# Altium PCB DS134-1.0-A色度传感器partA.PcbDoc
Units mm, origin at the board's own origin, x right, y up, seen from the top; angles counter-clockwise.
Board outline 42 x 93 mm, 2 copper layers (Top Layer, Bottom Layer), stack 1.581 mm thick; 59 components, 74 nets, 265 pads, 86 vias.
Unrouted connection lines stored in the file: 1.
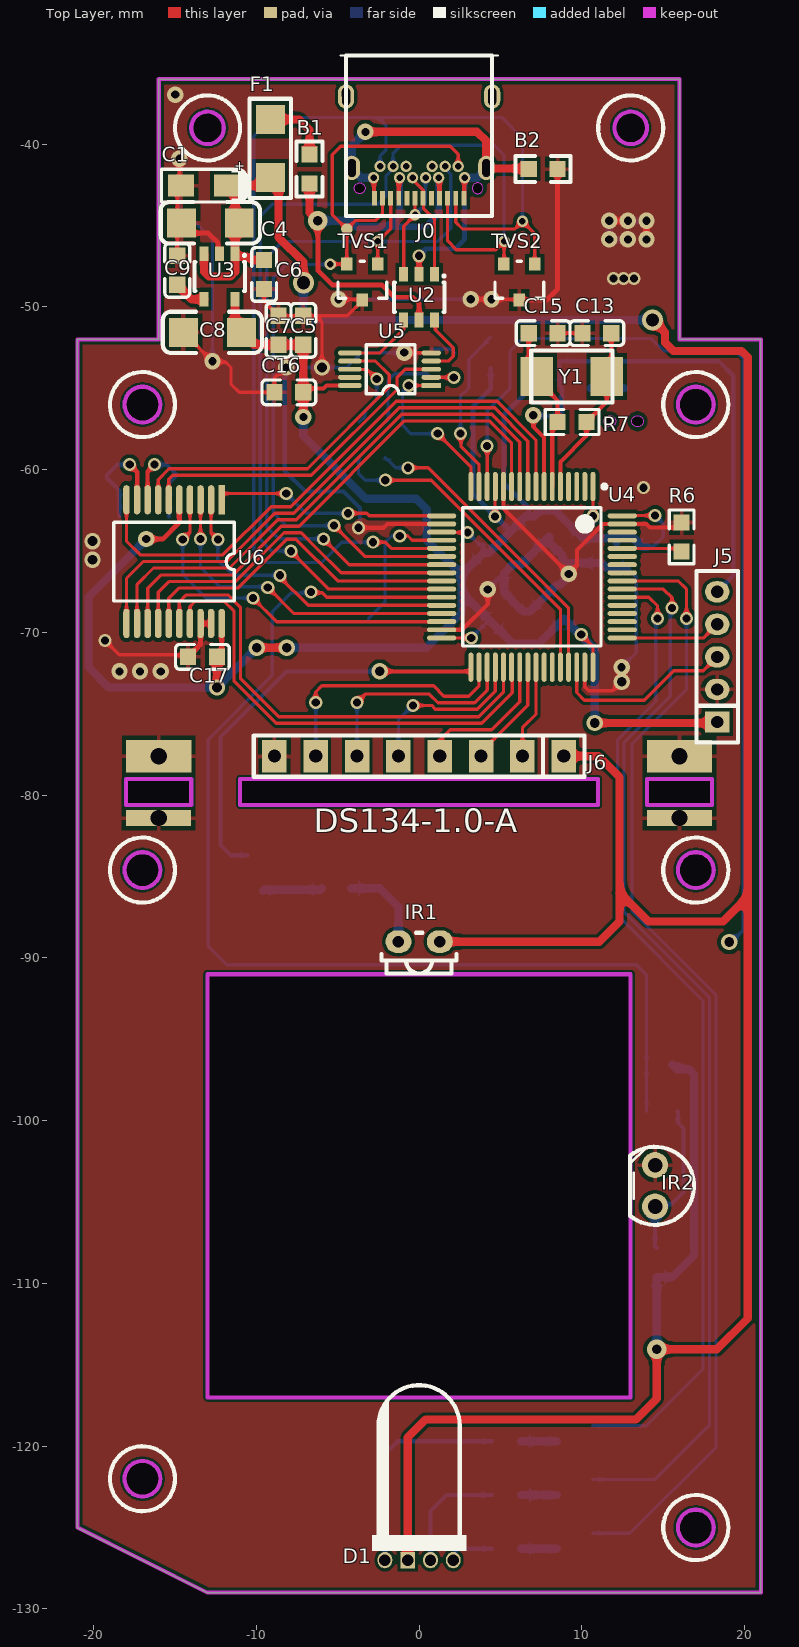
[diagram p0: Top Layer view]
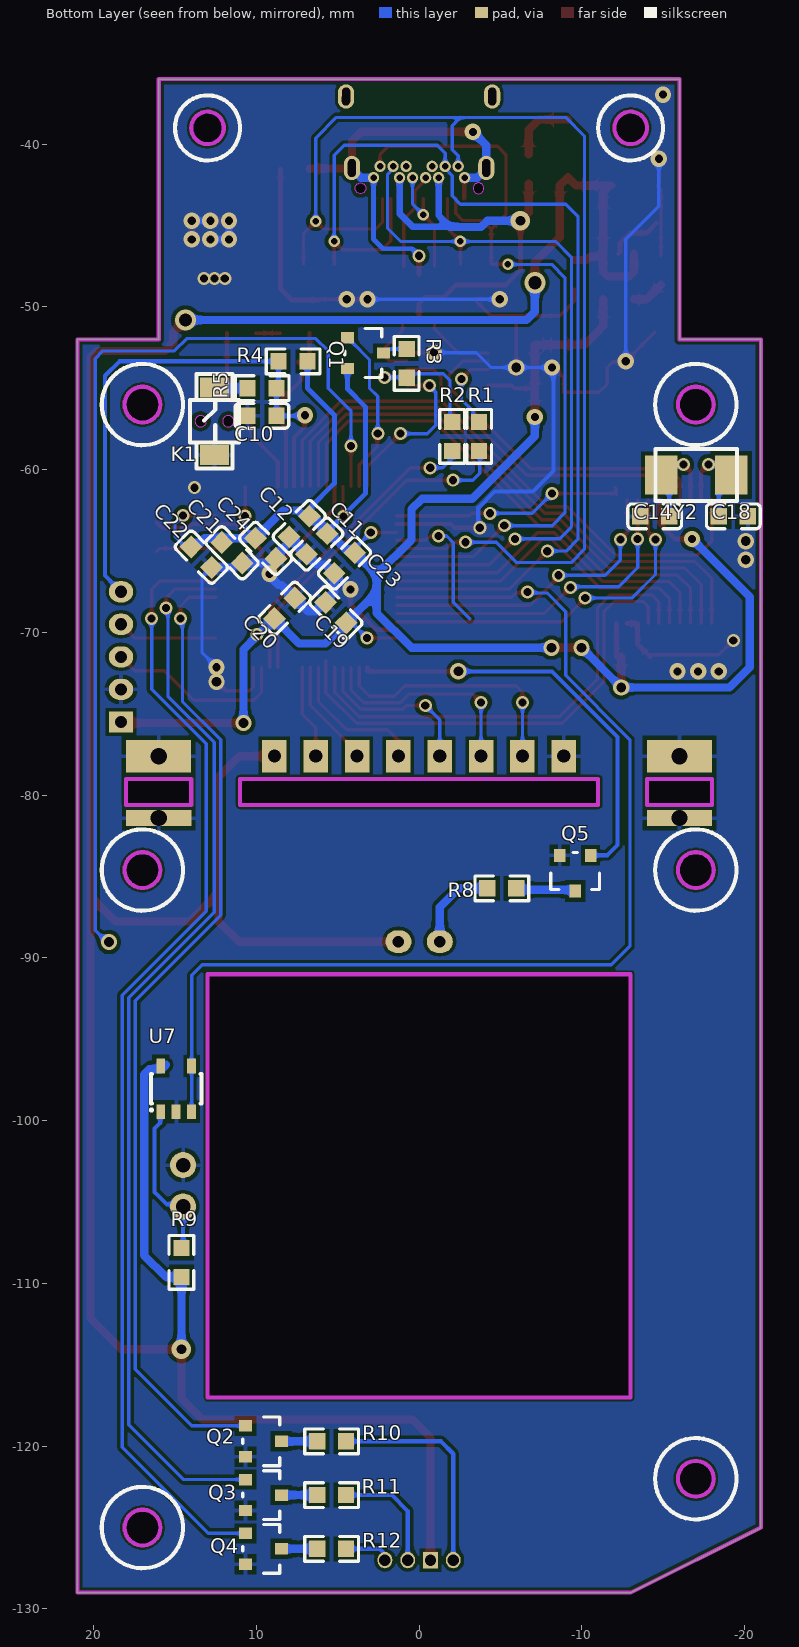
[diagram p1: Bottom Layer view, seen from below]
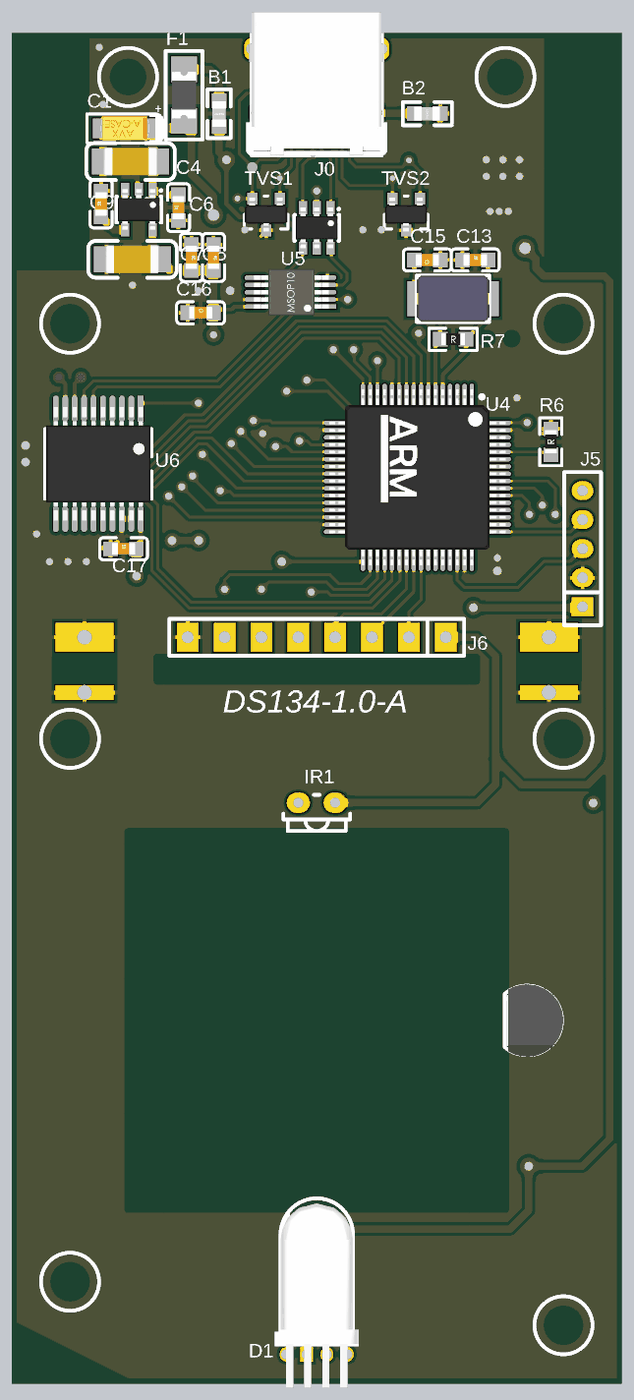
[diagram p2: 3D render of the assembled board from above, using the file's embedded part models]
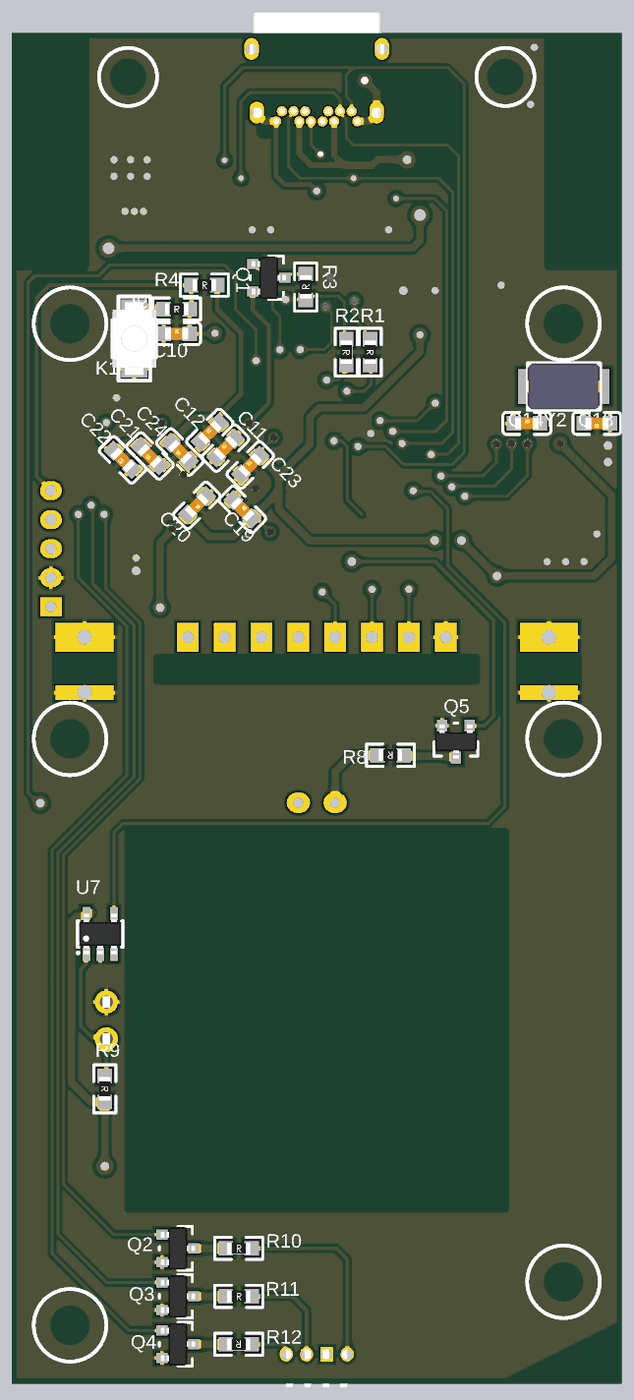
[diagram p3: 3D render of the assembled board from below, using the file's embedded part models]

## Layer stack, top to bottom
Top Solder: solder mask 0.0102, Solder Resist, Dk 3.5
Top Layer: signal copper 0.0356
Dielectric 1: dielectric 1.51, FR-4, Dk 4.8
Bottom Layer: signal copper 0.0356
Bottom Solder: solder mask 0.0102, Solder Resist, Dk 3.5

## Board outline
-21,-125 -13,-129 21,-129 21,-52 16,-52 16,-36 -16,-36 -16,-52 -21,-52
cut-out: 12,-39 ccw(c13,-39) 13,-40 ccw(c13,-39) 14,-39 ccw(c13,-39) 13,-38 ccw(c13,-39)
cut-out: -13,-40 ccw(c-13,-39) -12,-39 ccw(c-13,-39) -13,-38 ccw(c-13,-39) -14,-39 ccw(c-13,-39)
cut-out: -18.1,-122 ccw(c-17,-122) -17,-123.1 ccw(c-17,-122) -15.9,-122 ccw(c-17,-122) -17,-120.9 ccw(c-17,-122)
cut-out: 15.9,-125 ccw(c17,-125) 17,-126.1 ccw(c17,-125) 18.1,-125 ccw(c17,-125) 17,-123.9 ccw(c17,-125)
cut-out: 15.9,-84.6 ccw(c17,-84.6) 17,-85.7 ccw(c17,-84.6) 18.1,-84.6 ccw(c17,-84.6) 17,-83.5 ccw(c17,-84.6)
cut-out: -18.1,-84.6 ccw(c-17,-84.6) -17,-85.7 ccw(c-17,-84.6) -15.9,-84.6 ccw(c-17,-84.6) -17,-83.5 ccw(c-17,-84.6)
cut-out: 18.1,-56 ccw(c17,-56) 17,-54.9 ccw(c17,-56) 15.9,-56 ccw(c17,-56) 17,-57.1 ccw(c17,-56)
cut-out: -18.1,-56 cw(c-17,-56) -17,-54.9 cw(c-17,-56) -15.9,-56 cw(c-17,-56) -17,-57.1 cw(c-17,-56)
cut-out: -11,-80.6 -11,-79 11,-79 11,-80.6
cut-out: 14,-80.6 14,-79 18,-79 18,-80.6
cut-out: -18,-80.6 -14,-80.6 -14,-79 -18,-79
cut-out: -13,-117 -13,-91 13,-91 13,-117

## Design rules (kind name [scope] priority, off if disabled: settings)
Clearance [All] p1: gap=0.254 ignorepadtopadclearanceinfootprint=FALSE except(0: Arc-Hole Track-Hole SMDPad-Hole THPad-Hole Via-Hole Fill-Hole Poly-Hole Region-Hole Text-Hole; 0.12: THPad-THPad; 0.15: Arc-SMDPad Arc-THPad Track-SMDPad Track-THPad SMDPad-SMDPad; 0.2: Arc-Arc Arc-Track Arc-Via Arc-Fill Arc-Poly Arc-Region Arc-Text Track-Track Track-Via Track-Fill Track-Poly Track-Region Track-Text SMDPad-THPad SMDPad-Text THPad-Fill THPad-Poly THPad-Region)
MinimumSolderMaskSliver [All] p1: minsoldermaskwidth=0.2
PolygonConnect GND [All] p1: thpad.connectstyle=Relief thpad.reliefconductorwidth=0.254 thpad.reliefentries=4 thpad.polygonreliefangle="90 Angle" thpad.airgapwidth=0.254 smdpad.connectstyle=Relief smdpad.reliefconductorwidth=0.254 smdpad.reliefentries=4 smdpad.polygonreliefangle="90 Angle" smdpad.airgapwidth=0.254 via.connectstyle=Direct via.reliefconductorwidth=0.254 via.reliefentries=4 via.polygonreliefangle="90 Angle" via.airgapwidth=0.254
PolygonConnect VSS [InNet('VSS') vs InNet('VSS')] p2: thpad.connectstyle=Relief thpad.reliefconductorwidth=0.508 thpad.reliefentries=4 thpad.polygonreliefangle="90 Angle" thpad.airgapwidth=0.254 smdpad.connectstyle=Relief smdpad.reliefconductorwidth=0.508 smdpad.reliefentries=4 smdpad.polygonreliefangle="90 Angle" smdpad.airgapwidth=0.254 via.connectstyle=Direct via.reliefconductorwidth=0.508 via.reliefentries=4 via.polygonreliefangle="90 Angle" via.airgapwidth=0.254
RoutingVias [All] p1: holewidth=0.6 width=1 viastyle="Through Hole" minholewidth=0.4 minwidth=0.8 maxholewidth=1 maxwidth=2
SilkToSilkClearance [All] p1: silktosilkclearance=0.1
SilkToSolderMaskClearance [IsPad] p1: minsilkscreentomaskgap=0.05 clearancetoexposedcopper=TRUE
SolderMaskExpansion [All] p1: expansion=0.102 istentingtop=FALSE
Width [All] p1: maxlimit=1 minlimit=0.2 preferedwidth=0.2
27 further rules are at their usual default settings.

## Classes and differential pairs
net class U7_Nets: ADC12_IN9 GND NetIR2_2 VCC_5V
net class R12_Nets: NetD1_4 NetQ4_3
net class R11_Nets: NetD1_3 NetQ3_3
net class R10_Nets: NetD1_1 NetQ2_3
net class R9_Nets: NetIR2_2 VCC_5V
net class R8_Nets: NetIR1_2 NetQ5_3
net class Q5_Nets: Dis_IR_EN GND NetQ5_3
net class Q4_Nets: Dis_blue_EN GND NetQ4_3
net class Q3_Nets: Dis_green_EN GND NetQ3_3
net class Q2_Nets: Dis_red_EN GND NetQ2_3
net class J6_Nets: GND OE OUT S0 S1 S2 S3 VCC_5V
net class IR2_Nets: GND NetIR2_2
net class IR1_Nets: NetIR1_2 VCC_5V
net class D1_Nets: NetD1_1 NetD1_3 NetD1_4 VCC_5V
net class C24_Nets: GND VCC_3V3_MCU
net class TVS2_Nets: GND SPI1_CS SPI1_SCK
net class J0_Nets: D+_I/O1 D-_I/O2 NetJ0_A5 NetJ0_A8 NetJ0_B5 NetJ0_B8 SPI1_CS SPI1_MISO SPI1_MOSI SPI1_SCK VBUS VSS
net class F1_Nets: NetB1_2 VCC_5V
net class C17_Nets: GND VCC_3V3_MCU
net class C16_Nets: GND VCC_3V3_MCU
net class C7_Nets: GND VCC_3V3_MCU
net class C4_Nets: GND VCC_5V
net class B2_Nets: GND VSS
net class B1_Nets: NetB1_2 VBUS
net class C23_Nets: GND VCC_3V3_MCU
net class C22_Nets: GND VCC_3V3_MCU
net class C21_Nets: GND VCC_3V3_MCU
net class C20_Nets: GND VCC_3V3_MCU
net class C19_Nets: GND VCC_3V3_MCU
net class Y1_Nets: OSC_IN OSC_OUT
net class R7_Nets: OSC_IN OSC_OUT
net class Y2_Nets: USB_XI USB_XO
net class U6_Nets: GND HSD2+ HSD2- USB_A0 USB_D0 USB_D1 USB_D2 USB_D3 USB_D4 USB_D5 USB_D6 USB_D7 USB_INT USB_RD USB_WR USB_XI USB_XO VCC_3V3_MCU
net class U5_Nets: GND HSD1+ HSD1- HSD2+ HSD2- USB_D+ USB_D- "USB_Select Input" VCC_3V3_MCU
net class U4_Nets: ADC12_IN9 BOOT0 DAC_OUT1 Dis_blue_EN Dis_green_EN Dis_IR_EN Dis_red_en GND I2C1_SCL I2C1_SDA I2C1_SMBAI KEY_HOME NetU3_36 NetU3_37 NetU3_48 NetU3_56 NetU3_57 NetU3_63 NetU3_64 NetU3_65 NetU3_66 NetU3_67 NetU3_68 NetU3_87 NetU3_93 NetU3_100 NetU3_101 NetU3_102 NetU3_106 NetU3_123 NetU3_124 NetU3_125 NetU3_126 NetU3_127 NetU3_128 NetU3_129 NetU3_132 NetU3_133 NetU3_134 OE OSC32_IN OSC32_OUT OSC_IN OSC_OUT OUT RESET S0 S1 S2 S3 SPI1_CS SPI1_MISO SPI1_MOSI SPI1_SCK SWCLK SWDIO USART1_RX USART1_TX "USB Pull Up" USB_A0 USB_D0 USB_D1 USB_D2 USB_D3 USB_D4 USB_D5 USB_D6 USB_D7 USB_INT USB_RD "USB_Select Input" USB_WR USBDM USBDP VCC_3V3_MCU
net class U3_Nets: GND NetC9_1 VCC_3V3_MCU VCC_5V
net class R4_Nets: RESET VCC_3V3_MCU
net class R6_Nets: BOOT0 GND
net class R2_Nets: HSD1+ USBDP
net class R1_Nets: HSD1- USBDM
net class R5_Nets: NetK1_2 RESET
net class R3_Nets: HSD1+ NetQ1_3
net class Q1_Nets: NetQ1_3 "USB Pull Up" VCC_3V3_MCU
net class K1_Nets: GND NetK1_2
net class J5_Nets: GND RESET SWCLK SWDIO VCC_3V3_MCU
net class U2_Nets: D+_I/O1 D-_I/O2 USB_D+ USB_D- VBUS VSS
net class TVS1_Nets: GND SPI1_MISO SPI1_MOSI
net class C10_Nets: GND RESET
net class C15_Nets: GND OSC_OUT
net class C13_Nets: GND OSC_IN
net class C18_Nets: GND USB_XO
net class C14_Nets: GND USB_XI
net class C1_Nets: GND VCC_5V
net class C5_Nets: GND VCC_3V3_MCU
net class C12_Nets: GND VCC_3V3_MCU
net class C11_Nets: GND VCC_3V3_MCU
net class C9_Nets: GND NetC9_1
net class C8_Nets: GND VCC_3V3_MCU
net class C6_Nets: GND VCC_5V

## Components (designator, comment, footprint, x,y, rotation, side; value= is the part's Value field where it differs from the comment)
B1 "CBM160808U102" 0603Bead -6.731,-41.529 r90 top
B2 "CBM160808U102" 0603Bead 7.62,-41.529 r0 top
C1 "AVX_10uF/16V ±10％(C106)" AVX_3216-18(1206)_SMD -13.221,-42.545 r180 top value=10uF
C4 "MLCC 10uF 50V ±20％ 1206" 1206CAP -12.827,-44.831 r0 top value=10uF
C5 "SMDCAP00013" 0603CAP -7.112,-51.435 r270 top value=100nF
C6 "SMDCAP00015" 0603CAP -9.525,-48.006 r90 top value=1uF
C7 "SMDCAP00015" 0603CAP -8.636,-51.435 r270 top value=1uF
C8 "MLCC 10uF 50V ±20％ 1206" 1206CAP -12.7,-51.562 r0 top value=10uF
C9 "SMDCAP00010" 0603CAP -14.859,-47.753 r90 top value=10nF
C10 "SMDCAP00013" 0603CAP 9.653,-56.69 r180 bottom value=100nF
C11 "SMDCAP00015" 0603CAP 6.287,-64.567 r135 bottom value=1uF
C12 "SMDCAP00010" 0603CAP 7.365,-63.49 r135 bottom value=10nF
C13 "SMDCAP00002" 0603CAP 10.922,-51.61 r0 top value=20pF
C14 "SMDCAP00002" 0603CAP -14.477,-62.865 r180 bottom value=20pF
C15 "SMDCAP00002" 0603CAP 7.62,-51.61 r180 top value=20pF
C16 "SMDCAP00013" 0603CAP -8.002,-55.245 r0 top value=100nF
C17 "SMDCAP00013" 0603CAP -13.311,-71.502 r0 top value=100nF
C18 "SMDCAP00002" 0603CAP -19.304,-62.865 r0 bottom value=20pF
C19 "SMDCAP00013" 0603CAP 5.119,-68.787 r225 bottom value=100nF
C20 "SMDCAP00013" 0603CAP 8.262,-68.518 r315 bottom value=100nF
C21 "SMDCAP00013" 0603CAP 11.494,-65.106 r45 bottom value=100nF
C22 "SMDCAP00012" 0603CAP 13.38,-65.376 r45 bottom value=4.7uF
C23 "SMDCAP00013" 0603CAP 4.581,-65.735 r135 bottom value=100nF
C24 "SMDCAP00013" 0603CAP 9.43,-64.836 r45 bottom value=100nF
D1 "DIPRGB00001" LED_RGB_YANG5_W 0,-127 r0 top locked value=RGB
F1 "SMD1206-050C-16V" 1206FUSE -9.144,-40.259 r270 top value="16V /0.5A"
IR1 "IR928-6C-F" IR928-6C-F 0,-89 r0 top locked
IR2 "PD438C/S46" PD438C/S46 14.5,-104 r270 top locked
J0 "USB_Type_C_24P" USB_TYPE_C_24P_Receptacle 0,-40.2 r180 top locked
J5 "DIP5 单排直针  间距2mm 针长11mm 铜" H5 18.315,-75.501 r90 top value=SW
J6 "SL000000042" SIP8 8.89,-77.6 r180 top value=8P
K1 "TS-1185-B-A-A-A" KEY_TS-1185-x-A-A-A 12.573,-57.023 r90 bottom value=Reset
Q1 "DTA114YCA SOT-23 长电" SOT23 3.302,-52.832 r270 bottom value=DTA114YCA
Q2 "SMDIC000037" SOT23 9.568,-119.7 r270 bottom value=DTC114ECA
Q3 "SMDIC000037" SOT23 9.568,-123.002 r270 bottom value=DTC114ECA
Q4 "SMDIC000037" SOT23 9.568,-126.304 r270 bottom value=DTC114ECA
Q5 "SMDIC000037" SOT23 -9.591,-84.793 r0 bottom value=DTC114ECA
R1 "SMDRES00108" 0603RES -3.683,-57.96 r270 bottom value=22K
R2 "SMDRES00108" 0603RES -2.032,-57.96 r270 bottom value=22K
R3 "SMDRES00039" 0603RES 0.762,-53.467 r90 bottom value=1.5K
R4 "SMDRES00056" 0603RES 7.747,-53.34 r180 bottom value=10K
R5 "SMDRES00015" 0603RES 9.652,-54.991 r180 bottom value=100R
R6 "SMDRES00056" 0603RES 16.129,-64.135 r90 top value=10K
R7 "" 0603RES 9.398,-57.071 r0 top value=1M
R8 "SMDRES00015" 0603RES -5.08,-85.725 r0 bottom value=100R
R9 "SMDRES00015" 0603RES 14.605,-108.712 r270 bottom value=100R
R10 "SMDRES00030" 0603RES 5.377,-119.7 r180 bottom value=510R
R11 "SMDRES00030" 0603RES 5.377,-123.002 r180 bottom value=510R
R12 "SMDRES00030" 0603RES 5.377,-126.304 r0 bottom value=510R
TVS1 "MMBZ9V1A" SOT23 -3.49,-48.471 r180 top
TVS2 "MMBZ9V1A" SOT23 6.157,-48.471 r180 top
U2 "82400102" SOT23-6 0,-49.4 r180 top
U3 "ME6211C33M5G-N" SOT23-5 -12.258,-48.13 r180 top
U4 "APM32E103RET6" LQFP64_N 6.933,-66.586 r270 top locked
U5 "FSUSB30" msop10 -1.752,-53.827 r180 top
U6 "CH372" SSOP20 -15.055,-65.65 r270 top
U7 "SMDIC000035" SOT23-5 14.925,-98.041 r180 bottom value=LM321
Y1 "8.00000 MHz 20PF -/+10PPM" XTAL_SMD5032_2P 9.389,-54.277 r0 top value=8MHZ
Y2 "12.00000 MHz 20PF -/+10PPM" XTAL_SMD5032_2P -17.027,-60.325 r0 bottom value=12MHZ

## Footprints (in the part's own frame and the unit in brackets; to place one, negate y for a bottom-side part, rotate by r counter-clockwise, add the part's x,y. Pads: shape width x height; smd on the part's side, far side on the other; paste and mask are expansions set on the pad)
0603Bead [mm]
  rect 1x1 smd: 1(-0.889,0) 2(0.889,0)
  silkscreen extent -1.69,-0.8 1.69,0.8, body extent -0.9,-0.48 0.85,0.48, height 0.95
0603CAP [mm]
  rect 1x1 smd: 1(-0.889,0) 2(0.89,0)
  silkscreen extent -1.65,-0.76 1.65,0.76, body extent -0.8,-0.4 0.8,0.4, height 0.3
0603RES [mm]
  rect 1x1 smd: 1(-0.889,0) 2(0.889,0)
  silkscreen extent -1.65,-0.76 1.65,0.76, body extent -0.8,-0.41 0.8,0.41, height 0.51
1206CAP [mil]
  rect 70x70 smd: 1(-70,0) 2(70,0)
  silkscreen extent -120,-50 120,50, body extent -73,-38 73,38, height 47
1206FUSE [mil]
  rect 70x70 smd: 1(-70,0) 2(70,0)
  silkscreen extent -120,-50 120,50, body extent -63,-33 63,33, height 57
AVX_3216-18(1206)_SMD [mm]
  rect 1.6x1.35 smd: 1(-1.41,0) 2(1.41,0)
  silkscreen extent -2.6,-1 2.6,1, body extent -1.7,-0.84 1.7,0.84, height 1.71
H5 [mm]
  rect 1.3x1.5 hole 0.75: 1(0,0)
  oval 1.3x1.5 hole 0.75: 2(2,0) 3(4,0) 4(6,0) 5(8,0)
  silkscreen extent -1.27,-1.27 9.27,1.27
IR928-6C-F [mm]
  oval 1.6x1.4 hole 0.7: 1(1.27,0) 2(-1.27,0)
  silkscreen extent -2.3,-1.95 2.3,0.55, body extent -2.3,-1.69 2.3,0.81, height 8.54
KEY_TS-1185-x-A-A-A [mm]
  rect 1.25x1.8 smd: 1(-2.075,0) 2(2.075,0)
  Keep-Out Layer board cut-out: -0.35,0.85 -0.323,0.716 -0.247,0.603 -0.134,0.527 0,0.5 0,0.5 0.134,0.527 0.247,0.603 0.323,0.716 0.35,0.85 0.35,0.85 0.323,0.984 0.247,1.097 0.134,1.173 0,1.2 0,1.2 -0.134,1.173 -0.247,1.097 -0.323,0.984 -0.35,0.85
  Keep-Out Layer board cut-out: 0.35,-0.85 0.323,-0.716 0.247,-0.603 0.134,-0.527 0,-0.5 0,-0.5 -0.134,-0.527 -0.247,-0.603 -0.323,-0.716 -0.35,-0.85 -0.35,-0.85 -0.323,-0.984 -0.247,-1.097 -0.134,-1.173 0,-1.2 0,-1.2 0.134,-1.173 0.247,-1.097 0.323,-0.984 0.35,-0.85
  silkscreen extent -2.9,-1.5 2.9,1.5, body extent -2.5,-1.5 2.5,1.5, height 2
LED_RGB_YANG5_W [mm]
  oval 0.9x1 hole 0.7 mask+0.05: 1(-2.1,0) 3(0.7,0) 4(2.1,0)
  rect 0.9x1 hole 0.7 mask+0.05: 2(-0.7,0)
  silkscreen extent -2.9,0.55 2.9,10.75, body extent -2.5,-2.3 2.89,10.4, height 8.9
LQFP64_N [mm]
  oval 1.8x0.3 smd: 1(-5.55,3.75) 2(-5.55,3.25) 3(-5.55,2.75) 4(-5.55,2.25) 5(-5.55,1.75) 6(-5.55,1.25) 7(-5.55,0.75) 8(-5.55,0.25) 9(-5.55,-0.25) 10(-5.55,-0.75) 11(-5.55,-1.25) 12(-5.55,-1.75) 13(-5.55,-2.25) 14(-5.55,-2.75) 15(-5.55,-3.25) 16(-5.55,-3.75) 33(5.55,-3.75) 34(5.55,-3.25) 35(5.55,-2.75) 36(5.55,-2.25) 37(5.55,-1.75) 38(5.55,-1.25) 39(5.55,-0.75) 40(5.55,-0.25) 41(5.55,0.25) 42(5.55,0.75) 43(5.55,1.25) 44(5.55,1.75) 45(5.55,2.25) 46(5.55,2.75) 47(5.55,3.25) 48(5.55,3.75)
  oval 0.3x1.8 smd: 17(-3.75,-5.55) 18(-3.25,-5.55) 19(-2.75,-5.55) 20(-2.25,-5.55) 21(-1.75,-5.55) 22(-1.25,-5.55) 23(-0.75,-5.55) 24(-0.25,-5.55) 25(0.25,-5.55) 26(0.75,-5.55) 27(1.25,-5.55) 28(1.75,-5.55) 29(2.25,-5.55) 30(2.75,-5.55) 31(3.25,-5.55) 32(3.75,-5.55) 49(3.75,5.55) 50(3.25,5.55) 51(2.75,5.55) 52(2.25,5.55) 53(1.75,5.55) 54(1.25,5.55) 55(0.75,5.55) 56(0.25,5.55) 57(-0.25,5.55) 58(-0.75,5.55) 59(-1.25,5.55) 60(-1.75,5.55) 61(-2.25,5.55) 62(-2.75,5.55) 63(-3.25,5.55) 64(-3.75,5.55)
  silkscreen extent -5.67,-4.25 4.25,4.58, body extent -6.07,-6.07 6.07,6.07, height 1.63
msop10 [mm]
  rect 1.2x0.3 smd mask+0.1: 1(-2.5,1)
  oval 1.2x0.3 smd mask+0.1: 2(-2.5,0.5) 3(-2.5,0) 4(-2.5,-0.5) 5(-2.5,-1)
  oval 1.45x0.3 smd mask+0.1: 6(2.5,-1) 7(2.5,-0.5) 8(2.5,0) 9(2.5,0.5) 10(2.5,1)
  silkscreen extent -1.5,-1.5 1.5,1.5, body extent -2.58,-1.6 2.58,1.6, height 1.09
PD438C/S46 [mm]
  round 1.6 hole 0.9: 1(-1.27,0) 2(1.27,0)
  silkscreen extent -2.4,-1.54 2.4,2.4, body extent -2.5,-1.4 2.5,2.5, height 9.6
SIP8 [mm]
  rect 1.5x2 hole 0.813: 1(0,0) 2(2.54,0) 3(5.08,0) 4(7.62,0) 5(10.16,0) 6(12.7,0) 7(15.24,0) 8(17.78,0)
  silkscreen extent -1.27,-1.27 19.05,1.27
SOT23 [mm]
  rect 0.7x0.8 smd: 1(-0.95,-1.1) 2(0.95,-1.1) 3(0,1.1)
  silkscreen extent -1.5,-1.27 1.5,1, body extent -1.46,-1.17 1.46,1.17, height 1
SOT23-5 [mm] "SOT-23/SC-74A; 5 Leads; Body 3.1 x 3 mm, inc. leads (LxW max)"
  rect 0.55x0.9 smd: 1(-0.95,-1.4) 2(0,-1.4) 3(0.95,-1.4) 4(0.95,1.4) 5(-0.95,1.4)
  silkscreen extent -1.59,-1.36 1.55,0.9, body extent -1.45,-1.4 1.45,1.4, height 1.45
SOT23-6 [mm] "SOT-23/SC-74A; 5 Leads; Body 3.1 x 3 mm, inc. leads (LxW max)"
  rect 0.55x0.9 smd: 1(-0.95,-1.4) 2(0,-1.4) 3(0.95,-1.4) 4(0.95,1.4) 5(0,1.4) 6(-0.95,1.4)
  silkscreen extent -1.59,-1.36 1.55,0.9, body extent -1.45,-1.4 1.45,1.4, height 1.45
SSOP20 [mm]
  rect 1.8x0.4 smd mask+0.05: 1(-3.8,2.925)
  oval 1.8x0.4 smd mask+0.05: 2(-3.8,2.275) 3(-3.8,1.625) 4(-3.8,0.975) 5(-3.8,0.325) 6(-3.8,-0.325) 7(-3.8,-0.975) 8(-3.8,-1.625) 9(-3.8,-2.275) 10(-3.8,-2.925) 11(3.8,-2.925) 12(3.8,-2.275) 13(3.8,-1.625) 14(3.8,-0.975) 15(3.8,-0.325) 16(3.8,0.325) 17(3.8,0.975) 18(3.8,1.625) 19(3.8,2.275) 20(3.8,2.925)
  silkscreen extent -2.42,-3.7 2.42,3.7, body extent -3.9,-3.6 3.9,3.6, height 1.9
USB_TYPE_C_24P_Receptacle [mm]
  oval 1x1.5 hole 0.5 slot 1.1 at 90.5 deg: 0(-4.49,-3.13) 0(-4.13,1.26) 0(4.13,1.26) 0(4.49,-3.13)
  rect 0.3x0.9 smd mask+0.1: A1(-2.75,3.13) A2(-2.25,3.13) A3(-1.75,3.13) A4(-1.25,3.13) A5(-0.75,3.13) A6(-0.25,3.13) A7(0.25,3.13) A8(0.75,3.13) A9(1.25,3.13) A10(1.75,3.13) A11(2.25,3.13) A12(2.75,3.13)